# KiCad board Tiboard.kicad_pcb (continued)
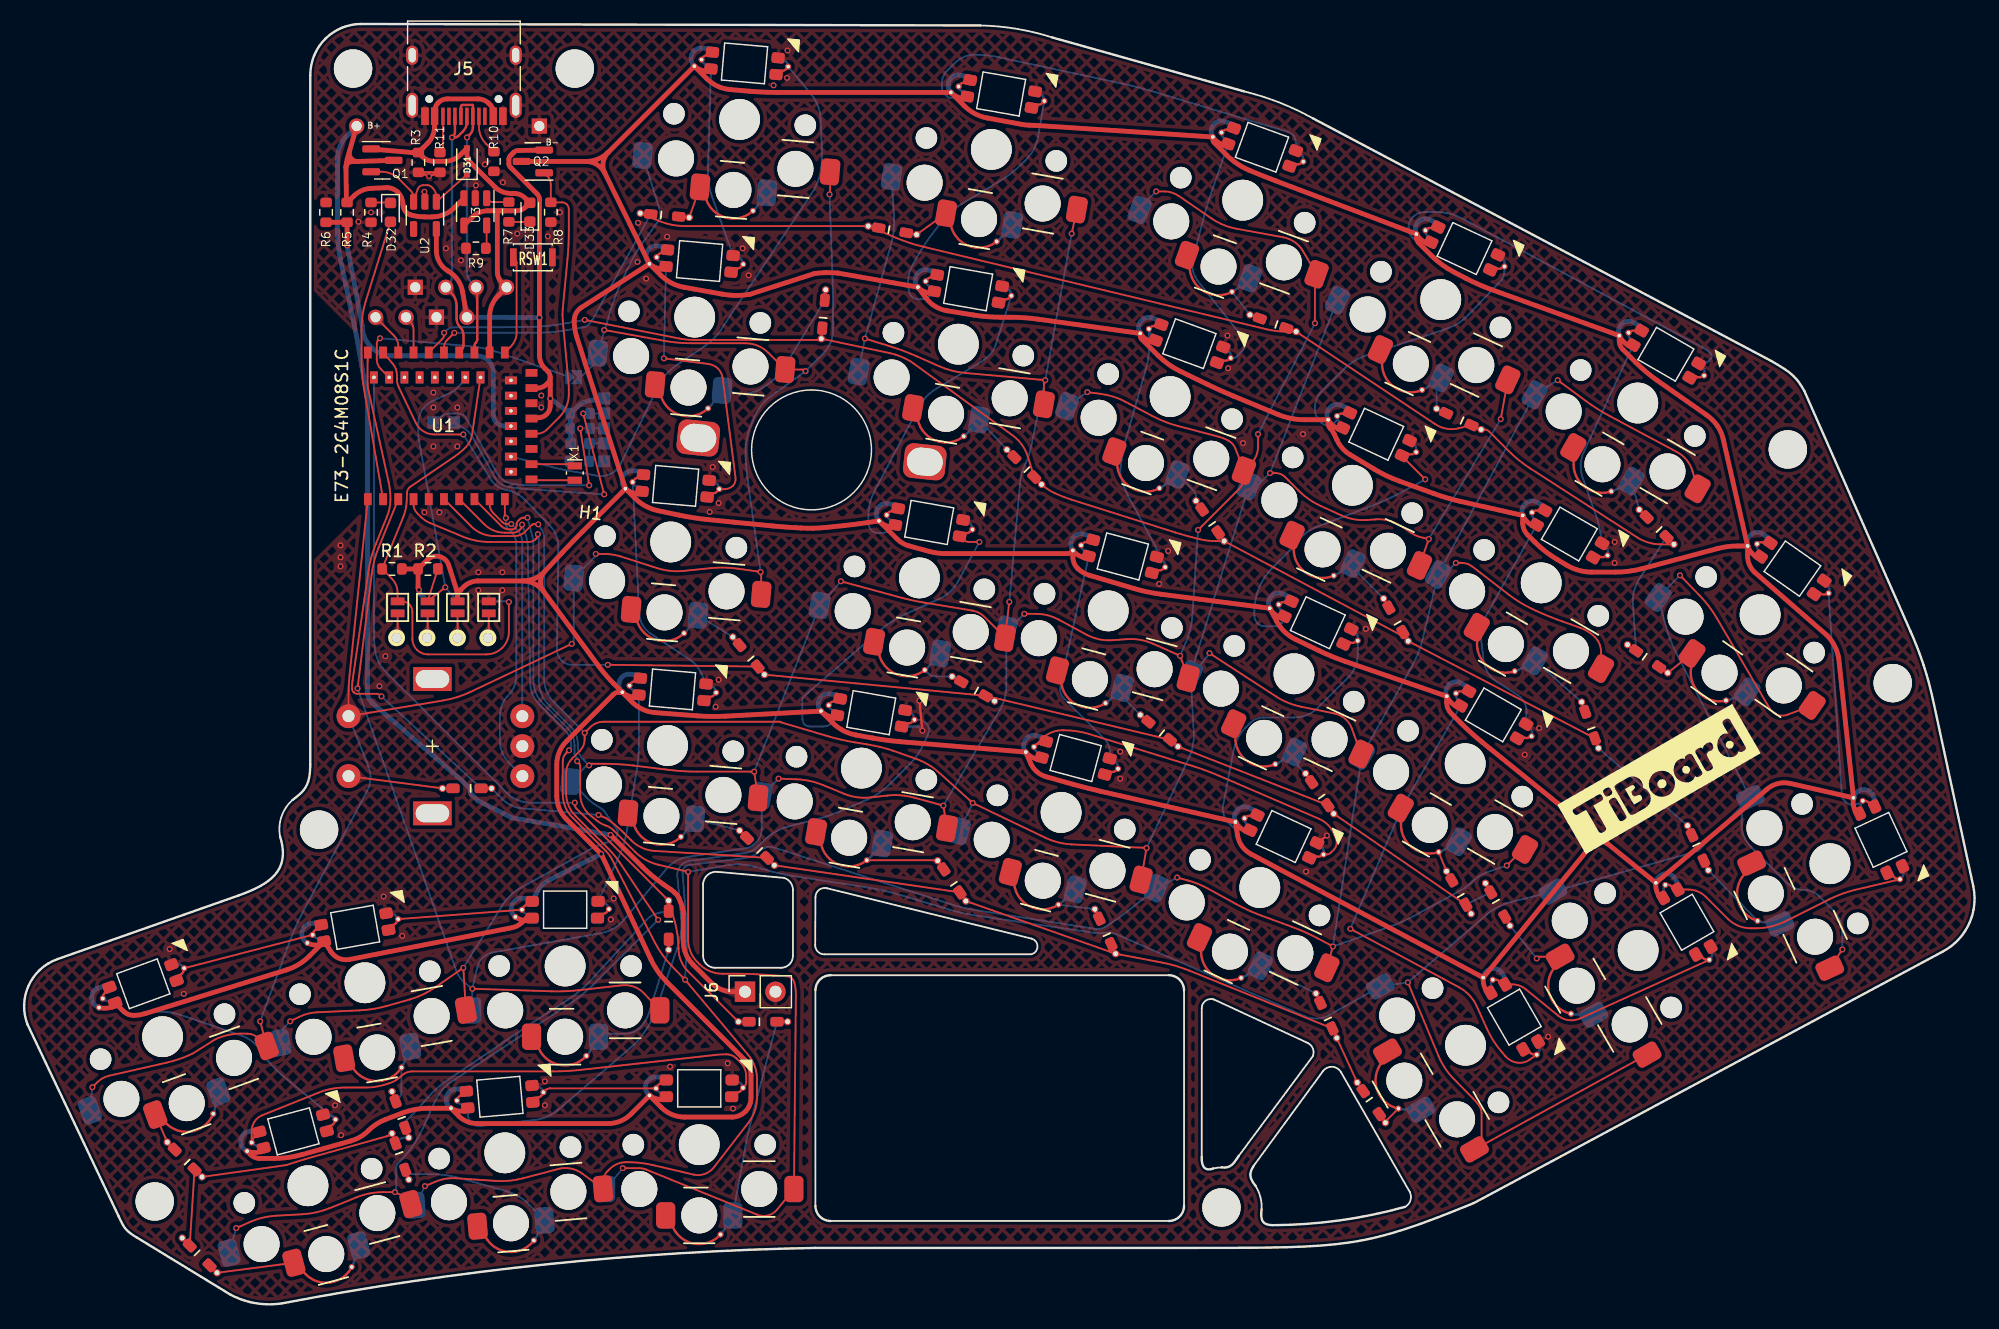
[diagram p0: board, top side]
## Routing (per net, layer and track width the routed paths; a pad name or vN(x,y) marks a point on that pad's centre or on a via; arc(x,y) is an arc through that point) (continued)
Net-(D17-Pad2): length 1.7
  Top w0.15: SW17.5 D17.2
Net-(D18-Pad2): length 5.5
  Top w0.15: SW18.5 126.45,29.06 arc(126.36,29.04) 126.28,28.99 v1(126.2,28.92)
  Bottom w0.15: v1(126.2,28.92) D18.2
Net-(D19-Pad2): length 3.9
  Bottom w0.15: D19.2 SW19.5
Net-(D20-Pad2): length 5.9
  Top w0.15: SW20.5 76.15,37.11 arc(76.18,37.11) 76.21,37.09 D20.2
Net-(D21-Pad2): length 3.1
  Bottom w0.15: SW21.5 D21.2
Net-(D22-Pad2): length 5.2
  Bottom w0.15: SW22.5 D22.2
Net-(D23-Pad2): length 12.8
  Bottom w0.15: SW23.5 42.16,8.36 arc(41.28,9.05) 40.25,9.49 36.31,10.6 arc(35.17,10.84) 34.02,10.92 32.44,10.92 arc(32.19,10.97) 31.99,11.11 D23.2
Net-(D24-Pad2): length 1.6
  Top w0.15: SW24.5 113.62,15.34 arc(113.59,15.31) 113.58,15.26 D24.2
Net-(D26-Pad2): length 2.5
  Top w0.15: SW26.5 D26.2
Net-(D27-Pad2): length 3
  Bottom w0.15: SW27.5 31.49,17.82 arc(31.43,17.5) 31.25,17.23 D27.2
Net-(D28-Pad2): length 10.6
  Bottom w0.15: D28.2 52.14,24.36 arc(51.84,23.71) 51.4,23.15 arc(50.83,22.77) 50.15,22.64 ; 50.12,22.64 48.56,22.64 arc(48.23,22.57) SW28.5
Net-(D29-Pad2): length 6.5
  Top w0.15: D29.2 SW29.5
Net-(D30-Pad2): length 16.6
  Bottom w0.15: SW30.5 60.19,13.24 arc(60.43,14.39) 60.7,15.52 D30.2
Net-(D31-Pad1): length 11.7
  Top w0.15: 32.5,92.03 32.5,92.4 arc(32.44,92.71) 32.26,92.98 31.29,93.96 arc(30.61,94.4) 29.82,94.56 Q1.2 ; U2.3 32.84,93.09 arc(33.02,93.34) 33.32,93.44 33.65,93.44 arc(33.84,93.4) 34,93.29 34.11,93.18 arc(34.33,92.86) 34.4,92.47 arc(34.51,92.3) 34.72,92.33 D31.1
Net-(D32-Pad1): length 1.6
  Top w0.15: D32.1 30.56,91.98 arc(30.53,91.99) 30.51,91.99 R4.1
Net-(D33-Pad1): length 1.8
  Top w0.15: R7.1 42.17,90.38 arc(42.19,90.38) 42.2,90.39 D33.1
Net-(J3-Pad1): length 4.1
  Top w0.15: J3.1 31.13,55.71 arc(31.16,55.76) 31.17,55.82 JP4.1
  Bottom w0.15: JP4.1 31.17,55.82 arc(31.16,55.76) 31.13,55.71 J3.1
Net-(J3-Pad2): length 4.1
  Top w0.15: JP3.1 33.67,55.75 arc(33.67,55.72) 33.65,55.69 J3.2
  Bottom w0.15: JP3.1 33.67,55.75 arc(33.67,55.72) 33.65,55.69 J3.2
Net-(J3-Pad3): length 4.1
  Top w0.15: JP2.1 36.17,55.69 arc(36.17,55.68) 36.17,55.67 J3.3
  Bottom w0.15: JP2.1 36.17,55.69 arc(36.17,55.68) 36.17,55.67 J3.3
Net-(J3-Pad4): length 4.1
  Top w0.15: JP1.1 38.77,55.79 arc(38.77,55.74) 38.74,55.7 J3.4
  Bottom w0.15: J3.4 38.74,55.7 arc(38.77,55.74) 38.77,55.79 JP1.1
Net-(R7-Pad2): length 2
  Top w0.15: R7.2 39.15,92.03 arc(38.94,92.07) 38.76,92.19 U3.1
Net-(R9-Pad1): length 1.9
  Top w0.15: U3.5 38.6,88.29 arc(38.59,88.25) 38.57,88.21 R9.1
Net-(R12-Pad1): length 23.2
  Top w0.15: v1(46.4,73.14) v1(47.15,68.39)
  Bottom w0.15: v1(46.4,73.14) R12.1 TP1.1 ; v1(47.15,68.39) 42.54,68.39 arc(41.66,68.42) 40.78,68.51 arc(40.02,68.81) 39.48,69.41 37.76,72.5 arc(37.4,73.14) 37.03,73.76 36.87,74.03 arc(36.6,74.29) 36.23,74.39 35.5,74.39 arc(35.17,74.34) 34.88,74.18 TP6.1
Net-(R13-Pad1): length 24
  Top w0.15: v1(46.65,74.39) v1(48.4,67.64)
  Bottom w0.15: v1(48.4,67.64) 41.91,68.09 arc(41.16,68.16) 40.4,68.26 arc(39.75,68.53) 39.29,69.05 37.4,72.44 arc(37.11,72.84) 36.71,73.16 TP7.1 ; TP2.1 R13.1 v1(46.65,74.39)
Net-(SW1-Pad2): length 15.9
  Bottom w0.15: SW1.2 57.06,94.68 arc(57.14,93.53) 57.42,92.42 SW7.4
Net-(SW2-Pad2): length 35.7
  Bottom w0.15: SW3.4 106.11,97 arc(105.93,97.55) 105.45,97.88 94.03,101.3 arc(92.9,101.62) 91.76,101.88 81.31,104.12 arc(80.33,104.27) 79.34,104.32 arc(78.43,104.14) 77.65,103.62 77.01,102.98 arc(76.68,102.49) 76.57,101.92 76.57,101.7 arc(76.65,101.33) 76.86,101.01 77.03,100.84 arc(77.15,100.76) 77.31,100.73 78.5,100.73 arc(78.58,100.74) 78.64,100.78 SW2.2
Net-(SW2-Pad4): length 23.3
  Bottom w0.15: SW8.2 75.61,84.25 arc(75.24,84.01) 74.8,83.92 74.6,83.92 arc(74.1,84.11) 73.84,84.58 73.79,84.91 arc(73.81,85.86) 74.13,86.77 74.51,87.44 arc(75.11,88.44) 75.79,89.39 76.54,90.37 arc(77.32,91.21) 78.25,91.89 81.41,93.78 arc(82.37,94.44) 83.24,95.21 83.61,95.57 arc(84.26,96.46) 84.61,97.51 SW2.4
Net-(SW3-Pad2): length 20.4
  Bottom w0.15: SW3.2 99.04,92.75 arc(98.68,91.63) 98.36,90.51 97.54,87.35 arc(97.52,86.33) 97.96,85.41 101.67,80.75 arc(101.86,80.15) 101.61,79.57 101.18,79.15 arc(101.03,79.05) 100.86,79.01 SW9.4
Net-(SW4-Pad2): length 33.1
  Bottom w0.15: SW4.2 116.71,88.68 arc(116.25,88.77) 115.86,89.03 115.81,89.08 arc(115.58,89.42) 115.51,89.81 115.51,89.89 arc(115.6,90.36) 115.86,90.75 115.91,90.8 arc(116.35,91.1) 116.88,91.2 117.81,91.2 arc(118.93,91.06) 119.98,90.66 140.13,79.85 arc(140.43,79.66) 140.7,79.42 arc(140.8,79.17) 140.7,78.91 140.57,78.78 arc(140.32,78.62) 140.03,78.56 SW5.4
Net-(SW10-Pad2): length 24
  Bottom w0.15: SW10.2 109.55,74 arc(109.52,73.84) 109.43,73.7 109.35,73.62 arc(109.12,73.47) 108.85,73.42 108.74,73.42 arc(108.48,73.47) 108.26,73.61 108.08,73.79 arc(107.8,74.21) 107.7,74.7 107.7,74.92 arc(107.84,75.61) 108.23,76.2 110.1,78.06 arc(110.99,78.76) 112.01,79.24 118.64,81.44 arc(119.66,81.92) 120.53,82.64 123.21,85.47 arc(123.43,85.81) 123.51,86.22 SW4.4
Net-(SW10-Pad4): length 25.6
  Top w0.15: v1(116.9,68.89) 114.99,70.81 arc(114.97,70.83) 114.97,70.85 SW10.4
  Bottom w0.15: v1(116.9,68.89) 114.69,67.69 arc(113.64,67.17) 112.56,66.72 107.84,64.93 arc(106.89,64.38) 106.19,63.55 104.16,61.51 arc(103.04,59.85) 102.65,57.89 102.65,57.49 arc(102.72,57.17) 102.9,56.89 arc(103.18,56.7) 103.51,56.64 104.4,56.64 arc(104.64,56.69) 104.83,56.82 104.93,56.91 arc(105.09,57.16) SW16.2
Net-(SW11-Pad2): length 19.5
  Bottom w0.15: SW17.4 125.36,49.43 arc(125.18,50.27) 124.6,50.91 122.84,52.04 arc(122.12,52.77) 121.77,53.75 121.45,56.52 arc(121.46,56.6) 121.49,56.67 arc(121.55,56.75) 121.59,56.82 SW11.2
Net-(SW11-Pad4): length 17.8
  Bottom w0.15: SW5.2 130.13,71.16 arc(129.87,70.13) 130.03,69.07 131.14,65.9 arc(131.37,65.13) 131.53,64.35 SW11.4
Net-(SW12-Pad2): length 19.1
  Bottom w0.15: SW6.4 151.65,42.64 arc(151.74,42.29) 151.95,42 arc(152.24,41.81) 152.59,41.74 153.2,41.87 SW12.2
Net-(SW12-Pad4): length 20.5
  Top w0.15: SW18.2 138.84,34.67 arc(139.64,34.51) 140.32,34.06 142.14,32.23 arc(143.03,31.64) 144.07,31.43 144.52,31.43 arc(145.19,31.48) 145.85,31.61 arc(146.49,31.82) 147.11,32.09 150.62,33.86 arc(151.69,34.32) 152.8,34.65 SW12.4
Net-(SW13-Pad2): length 19.4
  Bottom w0.15: SW13.2 51.32,57.72 arc(51.61,56.75) 52.3,56 55.46,53.91 arc(56.1,53.35) 56.55,52.63 SW19.4
Net-(SW13-Pad4): length 23.5
  Top w0.15: SW13.4 58.48,68.08 arc(58.84,68.16) 59.14,68.36 arc(59.33,68.66) 59.36,69.01 58.29,77.35 arc(57.9,78.14) 57.11,78.52 v1(53.39,78.99)
  Bottom w0.15: v1(53.39,78.99) SW7.2
Net-(SW14-Pad2): length 26.3
  Bottom w0.15: SW8.4 81.08,80.14 arc(80.86,79.66) 80.54,79.25 arc(80.14,78.91) 79.71,78.61 76.14,76.48 arc(75.27,75.78) 74.62,74.87 70.92,67.83 arc(70.57,66.91) 70.45,65.94 70.45,65.27 arc(70.51,64.96) 70.66,64.68 arc(70.91,64.49) 71.21,64.42 71.55,64.42 arc(71.99,64.51) 72.36,64.75 SW14.2
Net-(SW14-Pad4): length 27.4
  Top w0.15: v1(79.7,63.67) 78.86,63.67 arc(78.55,63.73) 78.29,63.9 SW14.4
  Bottom w0.15: SW20.2 67.8,49.16 arc(67.76,49.1) 67.74,49.03 67.74,49.01 arc(67.73,48.92) 67.68,48.84 67.42,48.59 arc(67.07,48.35) 66.65,48.27 65.56,48.27 arc(65.32,48.32) 65.12,48.45 arc(64.99,48.65) 64.94,48.88 64.94,50.5 arc(64.97,50.65) 65.05,50.77 arc(65.17,50.88) 65.28,50.98 71.52,56.38 arc(72.45,57.07) 73.47,57.62 76.36,58.92 arc(77.28,59.53) 77.94,60.39 v1(79.7,63.67)
Net-(SW15-Pad2): length 18.8
  Bottom w0.15: SW15.2 86.54,52.07 arc(86.48,51.69) 86.45,51.3 arc(86.53,50.95) 86.73,50.65 90.16,47.22 arc(90.47,46.75) 90.58,46.2 SW21.4
Net-(SW15-Pad4): length 20
  Bottom w0.15: SW15.4 94.51,62.73 arc(94.48,63.03) 94.39,63.32 92.26,67.23 arc(92.09,67.57) 91.93,67.92 arc(91.79,68.27) 91.66,68.63 91.58,68.86 arc(91.53,69.02) 91.5,69.17 91.49,69.21 arc(91.47,69.33) 91.46,69.46 arc(91.46,69.59) 91.46,69.72 91.47,69.78 arc(91.49,69.98) 91.52,70.17 91.57,70.5 arc(91.63,70.92) 91.71,71.33 arc(91.8,71.75) 91.91,72.16 93.63,78.19 arc(93.72,78.56) 93.79,78.95 arc(93.83,79.33) 93.85,79.72 SW9.2
Net-(SW16-Pad4): length 23.8
  Bottom w0.15: SW22.2 101.55,39.62 arc(101.15,39.7) 100.81,39.92 100.5,40.24 arc(100.08,40.93) 100.04,41.72 100.92,46.28 arc(101.29,47.33) 101.95,48.22 102.29,48.56 arc(102.81,48.9) 103.41,49.02 106,49.02 arc(107.05,49.23) 107.93,49.82 110.47,52.37 arc(111.06,53.25) 111.27,54.29 SW16.4
Net-(SW17-Pad2): length 41.1
  Top w0.15: SW24.4 125.64,20.48 arc(125.13,20.25) 124.57,20.22 arc(124.04,20.4) 123.6,20.76 123.25,21.16 arc(122.59,22.05) 122.06,23.03 121.2,24.93 arc(120.6,25.84) 119.73,26.51 v1(110.65,31.39)
  Bottom w0.15: v1(110.65,31.39) 114.45,40.31 arc(114.94,41.37) 115.49,42.4 SW17.2
Net-(SW18-Pad4): length 19.1
  Top w0.15: SW24.2 124.18,26.76 arc(124.75,26.66) 125.26,26.37 127.99,24.15 arc(128.87,23.77) 129.82,23.91 SW18.4
Net-(SW19-Pad2): length 17.8
  Bottom w0.15: SW28.4 49.62,37.38 arc(50.03,38.46) 50.3,39.58 51.11,44.59 arc(51.26,45.75) 51.3,46.91 SW19.2
Net-(SW20-Pad4): length 59.6
  Bottom w0.15: SW23.2 37.03,15.96 arc(37.11,15.55) 37.34,15.2 arc(37.69,14.99) 38.1,14.94 42.59,15.44 arc(43.66,15.72) 44.6,16.31 50.75,21.6 arc(51.11,21.94) 51.42,22.31 51.71,22.7 arc(52.32,23.68) 52.78,24.74 54.57,30.01 arc(54.82,31.12) 54.83,32.26 54.51,35.79 arc(54.75,36.62) 55.5,37.05 60.23,37.73 arc(60.7,37.88) 61.11,38.16 61.82,38.84 arc(62.73,39.51) 63.77,39.93 66.09,40.53 arc(67.21,40.86) 68.3,41.29 70.34,42.18 arc(71.34,42.73) 72.23,43.46 73.83,45.07 arc(74.57,45.95) 75.13,46.95 75.45,47.69 arc(75.5,48.11) 75.3,48.49 75.19,48.61 arc(74.93,48.78) 74.62,48.84 SW20.4
Net-(SW21-Pad2): length 29.8
  Top w0.15: SW21.2 84.96,47.27 arc(85.72,47.78) 86.63,47.96 86.74,47.96 arc(87.82,47.88) 88.88,47.64 97.52,44.97 arc(98.62,44.59) 99.71,44.16 108.05,40.56 arc(108.81,40.05) 109.3,39.28 109.46,38.89 arc(109.5,38.41) 109.27,37.99 109.04,37.76 arc(108.86,37.64) 108.65,37.6 SW22.4
Net-(SW23-Pad4): length 9.5
  Top w0.15: SW23.4 43.5,17.91 arc(43.68,18.04) 43.9,18.08 SW30.2
Net-(SW26-Pad2): length 21.8
  Bottom w0.15: SW29.4 21.56,19.15 arc(20.72,19.95) 20.01,20.86 19.79,21.19 arc(19.04,21.99) 18.07,22.51 13.06,24.21 arc(11.95,24.45) 10.82,24.43 9.39,24.24 arc(8.71,24.31) 8.13,24.67 SW26.2
Net-(SW26-Pad4): length 11.1
  Top w0.15: SW26.4 SW27.2
Net-(SW27-Pad4): length 10.4
  Top w0.15: SW28.2 SW27.4
Net-(SW29-Pad2): length 45.9
  Top w0.15: SW30.4 60.12,18.26 arc(60.22,18.41) 60.25,18.58 60.25,19.08 arc(60.13,19.71) 59.77,20.25 59.44,20.58 arc(59.06,20.83) 58.61,20.92 arc(58.13,20.91) 57.64,20.87 46.46,19.62 arc(45.3,19.53) 44.13,19.49 32.41,19.49 arc(31.9,19.39) 31.47,19.1 arc(31.05,18.77) 30.56,18.54 30.25,18.43 arc(29.4,18.22) 28.53,18.15 26.81,18.15 arc(25.67,18.04) 24.57,17.72 19.89,15.84 arc(19.24,15.32) 19,14.52 SW29.2

## Copper pours and planes (outline as drawn; the poured copper is in the pictures)
GND on Top, Bottom: 165.7,118.92 176.45,-12.58 -10.3,-12.83 -13.05,122.17
VBAT on Top: 27.6,97.1 27.64,97.24 27.69,97.35 27.74,97.44 27.8,97.52 27.86,97.59 27.92,97.65 28.06,97.78 28.14,97.86 28.23,97.95 27.84,98.68 27.13,98.26 27.15,98.14 27.18,98.03 27.23,97.84 27.26,97.76 27.27,97.67 27.27,97.58 27.27,97.47 27.25,97.35 27.22,97.21
VBAT on Top: 58.22,26.09 58.44,26.01 58.63,25.94 58.79,25.87 58.93,25.81 59.05,25.75 59.18,25.69 59.44,25.55 59.6,25.47 59.78,25.37 60.58,26.14 59.78,26.9 59.62,26.82 59.48,26.73 59.35,26.64 59.23,26.56 59.11,26.49 58.99,26.43 58.86,26.4 58.72,26.39 58.55,26.42 58.35,26.47
VBAT on Bottom: 26.73,96.96 26.84,97.13 26.95,97.27 27.05,97.38 27.16,97.46 27.27,97.53 27.38,97.58 27.51,97.62 27.64,97.67 27.79,97.71 27.96,97.77 27.98,98.59 27.15,98.58 27.09,98.4 27.03,98.25 26.97,98.12 26.91,98 26.84,97.89 26.77,97.78 26.7,97.66 26.61,97.52 26.51,97.36 26.39,97.17
VBUS on Top: 39.34,83.61 39.44,83.77 39.54,83.89 39.63,83.98 39.73,84.06 39.83,84.11 39.94,84.16 40.05,84.19 40.32,84.27 40.47,84.32 40.49,85.14 39.66,85.13 39.61,84.96 39.55,84.82 39.5,84.7 39.45,84.59 39.39,84.49 39.33,84.38 39.27,84.26 39.1,83.99 39,83.81
VBUS on Top: 39.33,85.89 39.37,85.74 39.4,85.61 39.44,85.5 39.47,85.4 39.55,85.12 39.58,85.02 39.61,84.91 39.65,84.78 40.48,84.69 40.49,85.51 40.39,85.55 40.29,85.57 40.1,85.61 40.01,85.64 39.93,85.67 39.87,85.71 39.81,85.78 39.76,85.87 39.72,85.98
DATA+ on Top: 36.08,83.98 36.02,84.13 35.98,84.26 35.95,84.37 35.93,84.48 35.91,84.57 35.9,84.67 35.88,84.77 35.86,84.87 35.83,84.99 35.78,85.13 34.96,85.14 34.98,84.32 35.1,84.29 35.21,84.27 35.32,84.25 35.43,84.24 35.52,84.23 35.61,84.21 35.69,84.17 35.77,84.11 35.83,84.02 35.89,83.9
DATA+ on Bottom: 35.6,86.03 35.59,85.91 35.56,85.81 35.52,85.74 35.45,85.69 35.38,85.65 35.29,85.62 35.1,85.57 34.99,85.53 34.89,85.48 35,84.66 35.82,84.92 35.82,85.05 35.8,85.87 35.8,86.03
DATA- on Top: 37.92,83.65 37.92,83.81 37.94,83.94 37.98,84.04 38.02,84.14 38.06,84.22 38.17,84.39 38.23,84.48 38.28,84.59 38.33,84.73 37.68,85.23 37.2,84.56 37.28,84.46 37.35,84.37 37.42,84.3 37.49,84.23 37.55,84.16 37.61,84.09 37.65,84.01 37.69,83.91 37.71,83.79 37.72,83.65
DATA- on Bottom: 36.89,85.92 36.92,85.76 36.95,85.63 36.97,85.52 36.99,85.42 37.03,85.14 37.05,85.03 37.08,84.92 37.11,84.78 37.94,84.69 37.95,85.51 37.84,85.55 37.72,85.57 37.61,85.59 37.51,85.6 37.41,85.62 37.32,85.64 37.25,85.68 37.18,85.75 37.13,85.84 37.09,85.96
ENCA on Bottom: 39.87,46 40,45.7 40.1,45.45 40.18,45.24 40.24,45.05 40.3,44.87 40.35,44.69 40.41,44.51 40.47,44.3 40.54,44.07 40.63,43.8 41.93,43.78 41.9,45.08 41.64,45.15 41.4,45.2 40.97,45.27 40.78,45.32 40.6,45.38 40.44,45.47 40.28,45.61 40.14,45.8 40.01,46.06
ENCB on Bottom: 41.5,51.12 41.49,50.88 41.45,50.69 41.39,50.53 41.31,50.4 41.22,50.28 41.11,50.17 41,50.05 40.89,49.92 40.78,49.76 40.68,49.57 41.58,48.63 42.48,49.57 42.37,49.76 42.26,49.92 42.15,50.05 42.04,50.17 41.94,50.28 41.84,50.4 41.76,50.53 41.7,50.69 41.66,50.88 41.65,51.12
nRF_VDD on Top: 36.54,83.63 36.56,83.49 36.57,83.37 36.56,83.26 36.55,83.17 36.52,83.08 36.49,83 36.42,82.82 36.38,82.72 36.34,82.6 37.01,82.11 37.47,82.79 37.39,82.89 37.32,82.97 37.2,83.12 37.14,83.19 37.09,83.26 37.04,83.34 37,83.44 36.97,83.56 36.94,83.7
nRF_VDD on Bottom: 38.22,82.61 38.08,82.62 37.95,82.63 37.85,82.66 37.76,82.69 37.68,82.73 37.6,82.77 37.44,82.87 37.35,82.93 37.23,82.99 36.64,82.42 37.23,81.85 37.34,81.9 37.44,81.96 37.6,82.06 37.68,82.1 37.76,82.14 37.85,82.17 37.95,82.2 38.07,82.21 38.22,82.21
SW25A on Top: 27.03,51.94 27,51.6 26.96,51.31 26.9,51.06 26.84,50.85 26.76,50.66 26.67,50.48 26.56,50.29 26.45,50.08 26.32,49.85 26.18,49.57 27.08,48.63 27.98,49.57 27.83,49.84 27.7,50.08 27.58,50.28 27.46,50.47 27.37,50.66 27.29,50.85 27.23,51.06 27.19,51.3 27.17,51.59 27.18,51.93
SW25A on Top: 29.03,49.53 28.79,49.51 28.59,49.51 28.43,49.55 28.28,49.6 28.15,49.67 28.02,49.76 27.89,49.84 27.74,49.93 27.56,50.02 27.36,50.09 26.58,49.05 27.65,48.31 27.82,48.45 27.96,48.59 28.07,48.72 28.17,48.85 28.27,48.97 28.37,49.08 28.49,49.17 28.63,49.26 28.82,49.33 29.05,49.38
SW25A on Bottom: 27.88,47.31 27.8,47.54 27.77,47.73 27.77,47.9 27.79,48.05 27.83,48.2 27.89,48.34 27.94,48.49 28,48.65 28.04,48.84 28.07,49.06 26.89,49.6 26.4,48.39 26.57,48.26 26.73,48.15 26.88,48.07 27.03,48 27.17,47.93 27.29,47.86 27.42,47.76 27.53,47.64 27.64,47.47 27.74,47.25
SW25B on Top: 29.06,43.95 28.82,43.99 28.64,44.06 28.49,44.14 28.37,44.23 28.26,44.34 28.16,44.46 28.06,44.58 27.94,44.71 27.8,44.84 27.62,44.97 26.58,44.2 27.39,43.18 27.6,43.26 27.77,43.35 27.91,43.45 28.04,43.54 28.17,43.63 28.3,43.7 28.44,43.76 28.6,43.8 28.8,43.82 29.04,43.8
SWC on Top: 30.28,81.58 30.18,81.69 30.11,81.79 30.06,81.89 30.04,81.98 30.02,82.08 30.01,82.17 30.01,82.27 29.99,82.38 29.97,82.5 29.93,82.63 29.11,82.64 29.13,81.82 29.26,81.78 29.38,81.76 29.48,81.75 29.58,81.74 29.68,81.73 29.77,81.72 29.86,81.69 29.96,81.64 30.06,81.57 30.18,81.47
SWD on Top: 32.57,81.36 32.57,81.5 32.57,81.63 32.56,81.73 32.55,81.83 32.52,82.08 32.52,82.18 32.51,82.29 32.51,82.42 31.67,82.66 31.61,81.84 31.73,81.8 31.84,81.77 31.96,81.75 32.06,81.73 32.16,81.71 32.25,81.68 32.32,81.64 32.38,81.57 32.41,81.48 32.42,81.36
Net-(J3-Pad1) on Top: 31.1,57.06 31.09,56.9 31.06,56.77 31.02,56.67 30.97,56.58 30.91,56.5 30.83,56.43 30.76,56.35 30.67,56.27 30.59,56.17 30.5,56.05 31.04,55.32 31.75,55.89 31.69,56.04 31.63,56.16 31.56,56.26 31.43,56.44 31.37,56.53 31.32,56.63 31.28,56.75 31.26,56.89 31.25,57.06
Net-(J3-Pad1) on Bottom: 31.1,57.06 31.09,56.9 31.06,56.77 31.02,56.67 30.97,56.58 30.91,56.5 30.83,56.43 30.76,56.35 30.67,56.27 30.59,56.17 30.5,56.05 31.04,55.32 31.75,55.89 31.69,56.04 31.63,56.16 31.56,56.26 31.43,56.44 31.37,56.53 31.32,56.63 31.28,56.75 31.26,56.89 31.25,57.06
Net-(J3-Pad2) on Top: 33.6,57.07 33.59,56.91 33.56,56.78 33.52,56.67 33.47,56.58 33.41,56.49 33.34,56.42 33.26,56.34 33.18,56.25 33.1,56.14 33.02,56.02 33.6,55.32 34.27,55.93 34.21,56.07 34.14,56.19 34.07,56.29 33.93,56.46 33.87,56.55 33.82,56.65 33.78,56.76 33.76,56.9 33.75,57.07
Net-(J3-Pad2) on Bottom: 33.6,57.07 33.59,56.91 33.56,56.78 33.52,56.67 33.47,56.58 33.41,56.49 33.34,56.42 33.26,56.34 33.18,56.25 33.1,56.14 33.02,56.02 33.6,55.32 34.27,55.93 34.21,56.07 34.14,56.19 34.07,56.29 33.93,56.46 33.87,56.55 33.82,56.65 33.78,56.76 33.76,56.9 33.75,57.07
Net-(J3-Pad3) on Top: 36.1,57.08 36.09,56.91 36.06,56.77 36.02,56.66 35.97,56.57 35.91,56.48 35.84,56.4 35.77,56.32 35.69,56.22 35.61,56.12 35.54,55.98 36.16,55.32 36.8,55.97 36.73,56.1 36.65,56.21 36.58,56.31 36.5,56.39 36.44,56.47 36.38,56.56 36.32,56.66 36.28,56.77 36.26,56.91 36.25,57.08
Net-(J3-Pad3) on Bottom: 36.1,57.08 36.09,56.91 36.06,56.77 36.02,56.66 35.97,56.57 35.91,56.48 35.84,56.4 35.77,56.32 35.69,56.22 35.61,56.12 35.54,55.98 36.16,55.32 36.8,55.97 36.73,56.1 36.65,56.21 36.58,56.31 36.5,56.39 36.44,56.47 36.38,56.56 36.32,56.66 36.28,56.77 36.26,56.91 36.25,57.08
Net-(J3-Pad4) on Top: 38.7,57.07 38.69,56.91 38.66,56.78 38.62,56.67 38.57,56.58 38.51,56.5 38.44,56.42 38.36,56.34 38.28,56.26 38.19,56.16 38.11,56.04 38.67,55.32 39.36,55.91 39.3,56.05 39.23,56.17 39.16,56.27 39.03,56.45 38.97,56.54 38.92,56.64 38.88,56.75 38.86,56.9 38.85,57.07
Net-(J3-Pad4) on Bottom: 38.7,57.07 38.69,56.91 38.66,56.78 38.62,56.67 38.57,56.58 38.51,56.5 38.44,56.42 38.36,56.34 38.28,56.26 38.19,56.16 38.11,56.04 38.67,55.32 39.36,55.91 39.3,56.05 39.23,56.17 39.16,56.27 39.03,56.45 38.97,56.54 38.92,56.64 38.88,56.75 38.86,56.9 38.85,57.07

Small or netless copper shapes (teardrops, artwork), in the pictures only: 212 on Top, 138 on Bottom

## Text on the board
B.Silkscreen: R  D | V / C / D / R / G
